# Altium PCB UAARG Autopilot.PcbDoc (part 2 of 4)
Units mm, origin at the board's own origin, x right, y up, seen from the top; angles counter-clockwise.
Board outline 89.53 x 95.22 mm, 4 copper layers (Top Layer, Mid Layer 1, Mid Layer 2, Bottom Layer), stack 1.641 mm thick; 296 components, 241 nets, 1208 pads, 606 vias.
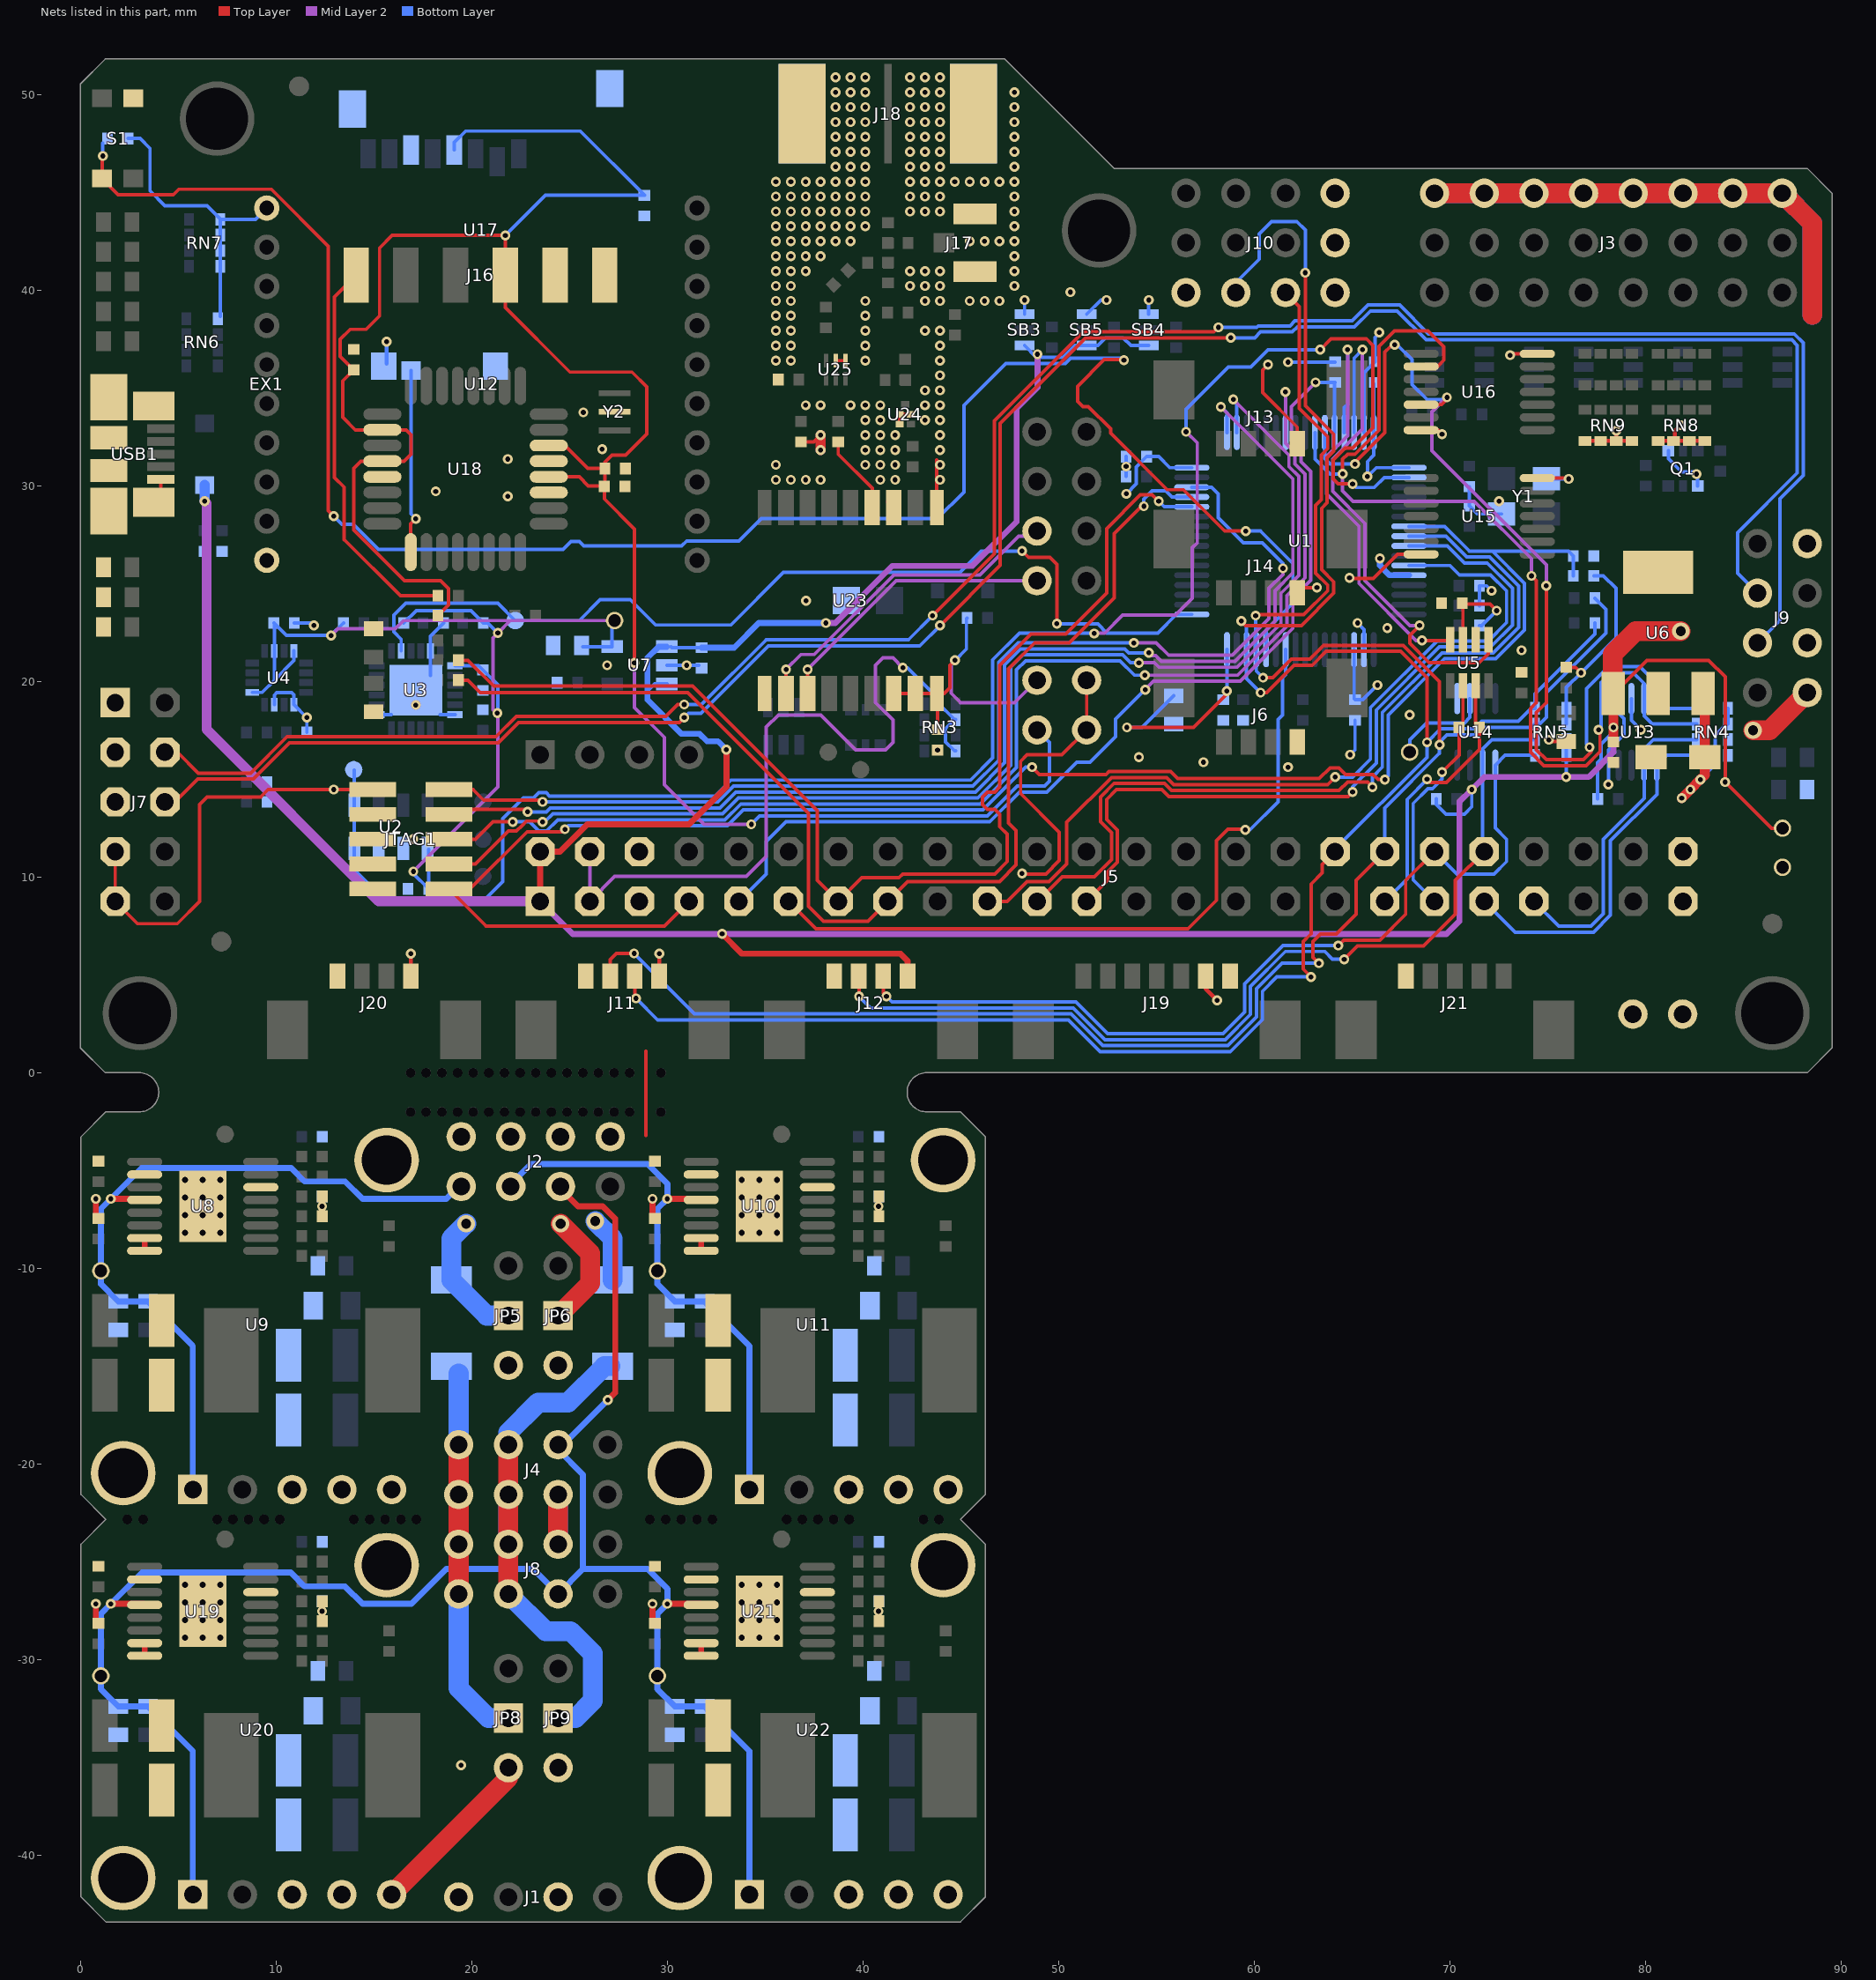
[diagram p4: the nets of this part, all layers, seen from the top]

## Part data
C1 C2 C3 C4 C5 C6 C11 C13 C14 C15 C16 C17 C18 C19 C20 C22 C23 C24 C26 C28 C29 C31 C32 C33 C34 C35 C36 C37 C38 C39 C41 C42 C44 C45 C46 C47 C48 C49 C50 C51 C57 C59 C60 C62 C63 C64 C65 C66 C67 C68 C69 C70 C72 C73 C75 C76 C77 C78 C79 C80 C81 C82 C83 C84 C85 C86 C88 C89: "Capacitor"
C7 C8 C9 C10 C12 C27 C30 C40 C43 C52 C53 C54 C55 C56 C58 C61 C71 C74: "CAP CER 0.1UF 10V 10% X7R 0402"
C21 C87: "Polarized Capacitor"
C25: library part Cap, "Capacitor"
D1 D2: "Typical Schottky Diode"
D3: "Typical SchottkyDiode"
D4: "Typical Diode"
EX1 EX2: library part "Header 10", "Header, 10-Pin"
FID1 FID2 FID3 FID4 FID5 FID6: "Fiducial"
J1 J6 J11 J12 J13 J14 J15 J20: library part "Header 4", "Header, 4-Pin"
J2 J4 J8: "Header, 4-Pin, Dual row"
J3: library part "Header 3X08 RA", "Header, 24-Pin"
J5: library part "Header 24X2", "Header, 24-Pin, Dual row"
J7: library part "Header 5X2", "Header, 5-Pin, Dual row"
J9: library part "Header 4X2", "Header, 4-Pin, Dual row"
J10: library part "Header 3X04 RA", "Header, 12-Pin"
J16: library part "Header 6", "Header, 6-Pin"
J17: "U.FL RF connector"
J18: library part U.FL, "SMA RF connector"
J19: library part "Header 7", "Header, 7-Pin"
J21: library part "Header 5", "Header, 5-Pin"
J22: library part "Header 2", "Header, 2-Pin"
JP5 JP6 JP8 JP9: library part Jumper_2
JTAG1: "Mini JTAG connector header 10 pos 5x2 pitch 1.27mm TH"
L1: library part "Bead Ferrite", "BEAD FERRITE"
L2 L3 L4 L5: library part Inductor, "FIXED IND 6.8UH 7A 33.4 MOHM SMD"
L6 L7: "Chip Inductor"
LED1 LED5: "LED RED CLEAR 0603 SMD"
LED2: "LED ORANGE CLEAR 0603 SMD"
LED3 LED6 LED8 LED9: "LED GREEN CLEAR 0603 SMD"
LED4 LED7: "LED YELLOW CLEAR 0603 SMD"
Q1: "NPN General Purpose Amplifier"
Q2: "N-CH MOSFET W/ DIODE DUAL PACKAGE"
R1 R2 R3 R4 R5 R6 R7 R8 R9 R10 R11 R12 R13 R14 R15 R16 R17 R18 R19 R20 R21 R22 R23 R24 R25 R26 R27 R28 R29 R30 R31 R32 R33 R34 R35 R36 R37 R38 R39 R40 R41 R42 R43 R44 R45 R46 R47 R48 R49 R50 R51 R52 R53 R54 R55 R56 R57 R58 R59 R60 R61 R62 R63 R64 R65 R66 R67 R68: "Resistor"
RN1 RN2 RN3 RN4 RN5 RN6 RN7 RN8 RN9: "Isolated Resistor Network"
S1: library part SW-PB, "SWITCH TACTILE SPST-NO 0.05A 32V"
SB1 SB2 SB3 SB6 SB7 SB8 SB9 SB10 SB11 SB12 SB13: "SMD Jumper 3 positions. Open"
SB4 SB5: "SMD Jumper 3 positions. Closed"
TP1: "Test Point Ground"
TP2 TP3 TP4: "Test Point Power"
TP5 TP6 TP7 TP8 TP9 TP10 TP11 TP12 TP13 TP14 TP15 TP16 TP17 TP18 TP19: "Test Point Signal"
U1: "ARM Cortex-M4 32-bit MCU+FPU, 210 DMIPS, 1024 kB Flash, 192 kB Internal RAM, 51 I/Os, 64-pin LQFP, -40 to 85 degC, Tray"
U2: "MS5611-01BA03 Barometer, Altimeter"
U3: "Invense MPU-6000 6 Axis Motion Sensor"
U4: "HMC5883L 3-axis Magnetometer"
U5: "MAX3051 CAN Transceiver"
U6: "IC REG LDO 3.3V 1A SOT223"
U7: "LP2992 LDO Voltage Regulator"
U8 U10 U19 U21: "Simple Switcher 3.5V to 36V 3A Synchronous Step-Down Voltage Converter"
U9 U11 U20 U22: "Pololu Buck Converter D24V__F_ series"
U12: "MODULE XBEE PRO S3B 900HP RPSMA"
U13 U14: "IC VOLT-LEVEL TRANSLATOR SM8"
U15 U16: library part DM74LS125AM
U17: "GCT MEM2051-00-195-00-A"
U18: "8-bit AVR Microcontroller, 32KB Flash, 1KB EEPROM, 2KB SRAM, 32-pin TQFP, Industrial Grade (-40°C to 85°C)"
U23: "u-blox MAX-7Q GNSS Module"
U24: library part SF1186K-3, "GPS SAW Filter"
U25: library part MAX2659, "MAX2659 Low Noise Amplifier"
USB1: "Micro USB Connector Type B"
Y1: "Crystal Oscillator with ground points"
Y2: "Resonator with built in capacitors"
Z1 Z2: library part "Res Varistor", "VARISTOR 0603"

## Free pads (board coordinates)
  round 0.5 hole 0.5 unplated: 0(2.405,-22.828) 0(3.205,-22.828) 0(6.99,-22.828) 0(7.79,-22.828) 0(8.59,-22.828) 0(9.39,-22.828) 0(10.19,-22.828) 0(13.975,-22.828) 0(14.775,-22.828) 0(15.575,-22.828) 0(16.375,-22.828) 0(16.875,-2) 0(16.875,0) 0(17.175,-22.828) 0(17.675,-2) 0(17.675,0) 0(18.475,-2) 0(18.475,0) 0(19.275,-2) 0(19.275,0) 0(20.075,-2) 0(20.075,0) 0(20.875,-2) 0(20.875,0) 0(21.675,-2) 0(21.675,0) 0(22.475,-2) 0(22.475,0) 0(23.275,-2) 0(23.275,0) 0(24.075,-2) 0(24.075,0) 0(24.875,-2) 0(24.875,0) 0(25.675,-2) 0(25.675,0) 0(26.475,-2) 0(26.475,0) 0(27.275,-2) 0(27.275,0) 0(28.075,-2) 0(28.075,0) 0(29.113,-22.828) 0(29.675,-2) 0(29.675,0) 0(29.913,-22.828) 0(30.713,-22.828) 0(31.513,-22.828) 0(32.313,-22.828) 0(36.098,-22.828) 0(36.898,-22.828) 0(37.698,-22.828) 0(38.498,-22.828) 0(39.298,-22.828) 0(43.083,-22.828) 0(43.883,-22.828)

## Via types
v1: diameter 0.508, hole 0.254, Top Layer to Bottom Layer, tented both sides, 537 vias
v2: diameter 0.61, hole 0.305, Top Layer to Bottom Layer, 48 vias
v3: diameter 0.508, hole 0.254, Top Layer to Bottom Layer, 8 vias
v4: diameter 0.889, hole 0.508, Top Layer to Bottom Layer, 5 vias
v5: diameter 0.508, hole 0.254, Top Layer to Bottom Layer, tented bottom, 5 vias
v6: diameter 0.508, hole 0.254, Top Layer to Bottom Layer, tented top, 3 vias

## Nets (pads, with @x,y where several pads share a name; then routed paths per layer and width w, separated by ;. In a path a pad name is that pad's centre, name@x,y a point inside that pad or via, vN(x,y) a via of type N, cw(c..) or ccw(c..) an arc to the next point about the centre after c; other vN are vias at no path point)
+3V3: C6.2 C7.1 C8.1 C9.1 C10.1 C20.1 C21.1 EX1.1 J5.3 J5.4 J7.7 J7.9 J10.9 J11.1 J19.2 J20.1 JP7.2 JP10.2 JTAG1.1 L1.1 R12.2 R18.1 R44.2 RN3.2 RN3.4 RN4.1 RN4.2 RN5.1 RN5.2 RN6.5 RN7.5 RN7.6 RN7.7 RN7.8 SB3.1 SB4.1 SB5.1 TP3.1 U1.1 U1.19 U1.32 U1.48 U1.64 U5.3 U6.3 U12.1 U13.2 U14.2 U15.14 U16.14 | length 161.9
  Top Layer w0.178: J7.7@1.778,11.303 J7.9@1.778,8.763 2.921,7.62 4.953,7.62 6.096,8.763 6.096,13.716 6.477,14.097 9.211,14.097 9.592,14.478 JTAG1.1@14.941,14.478 ; v1@48.133,10.16 49.352,10.16 50.038,10.846 50.038,12.294 48.057,14.275 48.057,15.926 48.387,16.256 50.165,16.256 JP7.2@51.435,17.526 JP10.2@51.435,20.066 ; v1@53.467,17.653 56.896,17.653 58.607,19.364 58.607,19.558 58.598,19.549 v1(58.598,19.507) ; v1@64.897,25.273 66.094,25.273 67.319,26.498 U15.14@68.531,26.498 ; U16.14@68.531,32.848 69.387,32.848 v1(69.596,32.639) ; U5.3@70.668,22.13 70.668,23.964 72.048,23.964 v1(72.39,23.622) ; R18.1@75.946,20.722 76.433,20.722 v1(76.708,20.447)
  Top Layer w0.203: J20.1@16.885,4.942 v1(16.885,6.085) ; J11.1@29.585,4.942 v1(29.585,6.085) ; J19.2@57.515,4.942 57.515,4.285 v1(58.1,3.7)
  Top Layer w0.508: v1(81.852,14.034) v1(82.296,14.478) v1(82.804,14.986) 83.036,15.218 C21.1@83.036,16.129 U6.3@83.036,19.288
  Mid Layer 2 w0.178: J5.4@26.035,11.303 J5.3@26.035,8.763 27.305,10.033 34.036,10.033 35.052,11.049 35.052,17.665 35.675,18.288 37.847,18.288 39.625,16.51 41.148,16.51 41.529,16.891 41.529,18.034 40.64,18.923 40.64,20.828 41.021,21.209 41.529,21.209 v1(42.037,20.701)
  Bottom Layer w0.178: R44.2@2.43,47.752 3.048,47.752 3.556,47.244 3.556,45.085 4.318,44.323 6.477,44.323 7.15,43.65 RN7.5@7.15,43.618 ; RN6.5@7.15,38.665 RN7.8@7.15,41.218 RN7.7@7.15,42.018 RN7.6@7.15,42.818 RN7.5@7.15,43.618 ; U12.1@9.525,44.196 8.947,43.618 RN7.5@7.15,43.618 ; v1(42.037,20.701) 42.275,20.701 43.815,19.161 43.815,18.918 RN3.2@44.68,18.053 ; RN3.4@44.742,16.453 44.68,16.453 44.221,16.911 44.221,17.595 RN3.2@44.68,18.053 ; RN3.2@44.742,18.053 RN3.2@44.68,18.053 ; SB3.1@48.26,38.773 v1(48.26,39.497) ; SB5.1@51.435,38.773 52.159,39.497 v1(52.451,39.497) ; v1@53.467,17.653 54.266,17.653 C6.2@55.88,19.267 ; v1(53.467,29.591) 53.975,30.099 53.975,30.971 C9.1@54.5,31.496 55.118,31.496 55.686,30.928 U1.48@56.807,30.928 ; SB4.1@54.61,38.773 v1(54.61,39.497) ; v1(58.598,19.507) 58.607,19.516 U1.32@58.607,21.628 ; C7.1@65.107,19.111 U1.19@65.107,21.628 ; C7.1@65.151,19.067 65.549,19.067 v1(66.294,19.812) ; C10.1@66.107,35.229 U1.64@66.107,32.728 66.107,31.563 65.786,31.242 v1(65.786,30.48) 66.234,30.928 U1.1@67.907,30.928 ; TP3.1@67.945,16.383 67.945,17.018 68.809,17.882 70.739,17.882 71.024,18.167 U14.2@71.024,19.124 ; L1.1@71.518,22.86 71.628,22.86 v1(72.39,23.622) ; RN5.2@75.959,17.824 RN5.1@75.959,18.624 75.959,19.698 v1(76.708,20.447) 78.486,22.225 78.486,24.765 77.851,25.4 R12.2@77.36,25.4 ; U13.2@79.279,19.124 79.279,18.003 v1(79.756,17.526) ; v1(82.804,14.986) 83.566,15.748 83.566,17.239 84.152,17.824 RN4.2@84.214,17.824 RN4.1@84.214,18.624
  other v1: 48.133,10.185 12.954,14.478 53.492,17.653 64.872,25.298
+3V3_DL: C53.1 C54.1 C55.1 C56.1 J16.3 JP7.1 R45.2 U17.4 U18.4 U18.6 U18.18 U18.20 | length 122
  Top Layer w0.178: R45.2@18.271,23.368 18.821,23.918 18.821,24.74 18.415,25.146 16.561,25.146 13.97,27.737 13.97,30.899 14.332,31.261 U18.20@15.435,31.261 16.54,31.261 16.891,31.612 16.891,32.614 16.644,32.861 U18.18@15.435,32.861 14.053,32.861 13.411,33.503 13.411,35.365 C56.1@13.97,35.924 13.284,36.61 13.284,37.49 13.792,37.998 14.605,37.998 15.291,38.684 15.291,42.164 15.926,42.799 v1(21.717,42.799) J16.3@21.717,40.767 21.717,39.116 25.019,35.814 28.194,35.814 28.956,35.052 28.956,32.656 27.872,31.572 27.178,31.572 26.805,31.2 C55.1@26.805,30.886 ; U18.4@23.935,30.461 25.495,30.461 25.959,29.997 26.805,29.997 C55.1@26.805,30.886 ; U18.6@23.935,32.061 24.759,32.061 25.933,30.886 C55.1@26.805,30.886 ; C54.1@26.78,29.972 26.78,29.329 28.321,27.788 v1(28.321,20.955)
  Mid Layer 2 w0.178: v1(28.321,20.955) 28.321,18.669 29.845,17.145 29.845,14.732 31.877,12.7 v1(34.29,12.7)
  Bottom Layer w0.178: U17.4@19.102,47.171 19.102,47.55 19.685,48.133 25.544,48.133 C53.1@28.829,44.848 23.766,44.848 v1(21.717,42.799) ; v1(34.29,12.7) 34.722,13.132 46.356,13.132 47.88,14.656 49.277,14.656 49.53,14.909 49.53,16.891 JP7.1@48.895,17.526
+3V3_GPS: C83.2 JP10.1 R61.1 U23.7 U23.8 U23.9 | length 15.6
  Top Layer w0.178: U23.7@41.57,19.38 U23.8@42.67,19.38 U23.9@43.77,19.38 44.145,19.38 44.45,19.685 44.45,20.828 v1(44.704,21.082) ; C83.2@43.815,17.543 U23.9@43.815,19.271
  Top Layer w0.203: U23.9@43.77,19.38 cw(c43.661,19.271) U23.9@43.815,19.271
  Mid Layer 2 w0.178: v1(44.704,21.082) 44.501,20.879 44.501,19.406 44.983,18.923 47.752,18.923 JP10.1@48.895,20.066
  Bottom Layer w0.178: v1(44.704,21.082) 45.288,21.666 45.288,23.207 R61.1@45.322,23.241
+3V3_SENS: C13.1 C15.1 C16.1 C24.2 R13.2 R14.2 R15.2 TP4.1 U2.1 U3.13 U4.2 U4.4 U4.13 U7.5 | length 56
  Mid Layer 2 w0.178: v1(12.81,22.352) 13.154,22.696 16.092,22.696 16.51,23.114 21.971,23.114 ; v1(17.018,10.287) 21.336,14.605 21.336,18.288 21.082,18.542 21.082,22.225 v1@21.26,22.403 ; v1(21.336,22.479) 21.971,23.114 ; 21.844,22.987 21.971,23.114 ; TP4.1@27.305,23.114 21.971,23.114
  Bottom Layer w0.178: U4.13@8.785,19.443 9.283,19.443 9.91,20.07 ; C16.1@9.889,22.987 C16.1@9.91,22.966 ; U4.4@10.91,21.568 10.91,21.07 9.91,20.07 ; R13.2@13.445,22.987 v1(12.81,22.352) 10.524,22.352 C16.1@9.91,22.966 ; R14.2@16.527,22.987 17.162,23.622 19.956,23.622 R15.2@20.591,22.987 20.828,22.987 v1(21.336,22.479) ; v1(17.018,10.287) 17.018,10.177 C13.1@17.797,9.398 U2.1@17.797,11.426 ; U3.13@19.145,20.808 20.357,20.808 C15.1@20.574,20.591 21.336,19.829 v1@21.336,18.288 ; C24.2@25.683,21.778 U7.5@27.175,21.778 TP4.1@27.175,23.114 ; 9.91,20.07 U4.2@9.91,21.568 C16.1@9.91,22.966
  other v1: 21.311,18.39
+5V: C22.1 C23.2 D3.2 J5.1 J5.2 J9.8 J12.1 R38.1 R39.1 RN4.3 RN4.4 RN5.3 RN5.4 SB3.3 SB4.3 SB5.3 TP2.1 U6.1 U7.1 U7.3 | length 209
  Top Layer w0.178: U6.1@78.359,19.365 80.076,21.082 83.229,21.082 84.074,20.237 v1(84.074,14.86) 86.434,12.5 TP2.1@87,12.5
  Top Layer w0.305: J5.1@23.495,8.763 J5.2@23.495,11.303 24.511,11.303 25.908,12.7 31.115,12.7 33.02,14.605 v1(33.02,16.51) ; v1(32.8,7.1) 33.817,6.083 41.917,6.083 42.285,5.715 J12.1@42.285,4.942
  Top Layer w0.508: C22.1@78.359,16.908 v1(78.359,17.653) U6.1@78.359,19.365
  Top Layer w1.016: U6.1@78.345,19.379 78.323,19.401 78.323,21.4 79.49,22.567 v4(81.8,22.567) ; v4(85.5,17.5) 86.334,17.5 J9.8@88.265,19.431
  Mid Layer 2 w0.305: J5.1@23.495,8.763 25.171,7.087 69.825,7.087 70.485,7.747 70.485,13.843 v1(71.12,14.478) 71.755,15.113 v1(75.946,15.113) 77.089,15.113 78.359,16.383 v1(78.359,17.653) ; v1(38.1,22.987) 38.583,22.987 41.504,25.908 45.593,25.908 47.854,28.169 47.854,33.96 48.92,35.027 v1(48.92,36.728)
  Mid Layer 2 w0.508: v1(6.35,29.21) 6.452,29.108 6.452,17.551 15.24,8.763 J5.1@23.495,8.763
  Bottom Layer w0.178: 28.981,19.507 29.352,19.878 U7.3@29.975,19.878 ; U7.1@30.187,21.778 30.231,21.734 C23.2@31.75,21.734 ; SB3.3@48.26,37.173 48.857,36.576 50.234,36.576 50.831,37.173 SB5.3@51.435,37.173 52.007,37.173 52.4,37.567 53.3,37.567 53.694,37.173 SB4.3@54.61,37.173 ; R39.1@69.3,13.995 69.3,13.714 69.806,13.208 70.739,13.208 71.12,13.589 v1(71.12,14.478) ; v1(75.946,15.113) 75.946,17.011 RN5.3@75.959,17.024 ; R38.1@77.555,13.995 77.555,15.852 77.738,16.035 77.738,16.804 78.359,17.425 v1(78.359,17.653) ; v1(84.074,14.86) RN4.4@84.074,16.084 ; RN4.4@84.074,16.224 RN4.3@84.074,16.884
  Bottom Layer w0.305: U7.1@29.975,21.778 29.55,21.778 28.981,21.209 28.981,19.507 28.981,19.068 30.727,17.323 31.648,17.323 32.029,16.942 32.588,16.942 v1(33.02,16.51) ; C23.2@31.75,21.734 33.418,21.734 34.671,22.987 v1(38.1,22.987)
  Bottom Layer w0.508: v1(6.35,29.21) D3.2@6.35,30.048
+5V_ALT: J5.47 J9.6 J22.1
+5V_BCKP: D1.1 J4.7 J4.8 J8.7 J8.8 JP8.2 | length 21.8
  Top Layer w1.016: J8.8@19.334,-26.638 J8.7@19.334,-24.098 J4.8@19.334,-21.558 J4.7@19.334,-19.018
  Bottom Layer w1.016: J8.8@19.334,-26.638 19.334,-31.464 20.858,-32.988 JP8.2@21.874,-32.988 ; J8.7@19.334,-24.098 J4.8@19.334,-21.558 ; J4.7@19.334,-19.018 D1.1@19.334,-15.376
+5V_EXT: J2.5 JP6.2 | length 6
  Top Layer w1.016: JP6.2@24.414,-12.414 26.065,-10.763 26.065,-9.239 v4(24.541,-7.715)
+5V_MAIN: D1.2 J2.7 JP5.2 | length 6.9
  Bottom Layer w1.016: v4(19.715,-7.715) 18.953,-8.477 D1.2@18.953,-10.595 20.772,-12.414 JP5.2@21.874,-12.414
+5V_SERVO: D2.2 J2.3 | length 3.4
  Bottom Layer w1.016: v4(26.319,-7.588) 27.208,-8.477 D2.2@27.208,-10.595
+5V_SERVO_BCKP: D2.1 J4.5 J4.6 J8.5 J8.6 JP9.2 | length 27.6
  Top Layer w1.016: J8.6@21.874,-26.638 J8.5@21.874,-24.098 J4.6@21.874,-21.558 J4.5@21.874,-19.018
  Bottom Layer w1.016: J8.6@21.874,-26.638 23.779,-28.543 25.049,-28.543 26.192,-29.686 26.192,-32.099 25.303,-32.988 JP9.2@24.414,-32.988 ; J8.5@21.874,-24.098 J4.6@21.874,-21.558 ; J4.5@21.874,-19.018 21.874,-18.383 23.398,-16.859 24.922,-16.859 26.786,-14.995 D2.1@27.092,-14.995
ADC_1: J5.19 U1.11 | length 42.7
  Top Layer w0.178: J5.19@46.355,8.763 47.371,8.763 48.387,9.779 49.518,9.779 50.419,10.68 50.419,12.8 52.706,15.088 55.532,15.088 55.888,14.732 63.754,14.732 v1(64.135,15.113)
  Bottom Layer w0.178: v1(64.135,15.113) 65.024,15.113 65.938,16.027 65.938,18.668 69.343,22.073 71.96,22.073 72.898,23.01 72.898,24.638 72.085,25.451 70.488,25.451 70.011,25.928 U1.11@67.907,25.928
ADC_2: J5.21 U1.8 | length 44.4
  Top Layer w0.178: J5.21@48.895,8.763 48.933,8.763 50.184,10.014 51.824,10.014 52.704,10.894 52.704,12.27 52.146,12.828 52.146,14.096 52.833,14.783 55.406,14.783 55.762,14.427 64.338,14.427 64.77,14.859 65.786,14.859 v1(66.04,14.605)
  Bottom Layer w0.178: v1@65.913,14.605 v1(66.04,14.605) 66.04,15.113 66.548,15.621 66.548,18.415 69.596,21.463 72.213,21.463 73.508,22.758 73.508,24.891 72.033,26.365 70.867,26.365 69.804,27.428 U1.8@67.907,27.428
ADC_3: J5.23 U1.9 | length 40.6
  Top Layer w0.178: J5.23@51.435,8.763 52.502,9.83 52.502,10.261 53.009,10.768 53.009,12.396 52.451,12.954 52.451,13.97 52.959,14.478 55.28,14.478 55.635,14.122 64.795,14.122 v1(65.024,14.351)
  Bottom Layer w0.178: v1(65.024,14.351) 65.024,14.617 65.597,15.189 65.608,15.189 66.243,15.824 66.243,18.541 69.47,21.768 72.087,21.768 73.203,22.884 73.203,24.764 71.907,26.06 70.74,26.06 69.873,26.928 U1.9@67.907,26.928
ALT_EN: J7.4 J9.5 | length 115.5
  Top Layer w0.178: J7.4@4.318,16.383 4.953,16.383 6.02,15.316 8.706,15.316 10.56,17.17 21.236,17.17 22.277,18.212 29.925,18.212 30.535,18.821 v1(30.861,18.821) v1@30.861,18.669 ; v1(43.561,23.368) 46.711,26.518 46.711,33.325 51.257,37.871 57.937,37.871 v1(58.166,38.1)
  Bottom Layer w0.178: v1@30.861,18.669 v1(30.861,18.821) 31.741,18.821 35.043,22.123 42.316,22.123 v1(43.561,23.368) ; v1(58.166,38.1) 60.125,38.1 60.201,38.176 61.825,38.176 62.079,38.43 65,38.43 65.813,39.243 67.437,39.243 68.91,37.77 87.605,37.77 88.062,37.313 88.062,30.531 86.868,29.337 86.868,23.114 J9.5@85.725,21.971
ANT_ON: R64.1 U23.13 | length 4.1
  Top Layer w0.178: R64.1@38.735,32.241 38.735,31.623 40.47,29.888 U23.13@40.47,28.88
BACKUP_EN: J2.4 J4.3 J8.4 R48.1 R53.2 R55.1 R60.2 TP15.1 TP17.1 U19.12 U20.1 U21.12 U22.1 | length 95.1
  Top Layer w0.305: v1(1.554,-27.146) U19.12@3.227,-27.146 ; J2.4@24.414,-5.81 25.43,-6.826 26.7,-6.826 27.335,-7.461 27.335,-16.351 v1(26.954,-16.732) ; v1(30.002,-27.146) U21.12@31.675,-27.146
  Bottom Layer w0.305: U20.1@5.745,-42.005 5.745,-34.676 R48.1@3.459,-32.39 R53.2@1.935,-32.39 1.046,-31.501 TP15.1@1.046,-30.829 1.046,-27.654 v1(1.554,-27.146) 3.154,-25.546 10.749,-25.546 11.46,-26.257 13.53,-26.257 14.419,-27.146 16.921,-27.146 18.699,-25.368 23.144,-25.368 J8.4@24.414,-26.638 25.684,-25.368 ; J4.3@24.414,-19.272 25.684,-20.542 25.684,-25.368 ; J4.3@24.414,-19.018 24.668,-19.018 v1(26.954,-16.732) ; U22.1@34.193,-42.005 34.193,-34.676 R55.1@31.907,-32.39 R60.2@30.383,-32.39 29.494,-31.501 TP17.1@29.494,-30.829 29.494,-27.654 v1(30.002,-27.146) 30.002,-26.384 28.986,-25.368 25.684,-25.368
BCKP_EN: J7.6 J9.3 | length 113.2
  Top Layer w0.178: J7.6@4.318,13.843 4.826,13.843 5.994,15.011 8.832,15.011 10.686,16.866 21.362,16.866 22.404,17.907 30.607,17.907 v1(30.861,18.161) ; v1(43.942,22.86) 47.015,25.933 47.015,33.199 51.383,37.567 v1(58.801,37.567)
  Bottom Layer w0.178: v1(30.861,18.161) 31.077,18.377 31.727,18.377 35.169,21.819 42.901,21.819 v1(43.942,22.86) ; v1(58.801,37.567) 60.022,37.567 60.327,37.871 61.951,37.871 62.205,38.125 65.126,38.125 65.939,38.938 67.311,38.938 68.784,37.465 87.478,37.465 87.757,37.186 87.757,30.657 84.709,27.609 84.709,25.527 J9.3@85.725,24.511
BIND: R44.1 S1.4 U1.28 | length 100.1
  Top Layer w0.178: v1@1.105,46.825 S1.4@1.105,45.702 1.921,44.886 4.751,44.886 5.026,45.161 9.766,45.161 12.675,42.253 12.675,28.727 v1(12.954,28.448) ; v1@53.34,36.449 52.324,36.449 50.965,35.09 50.965,34.324 51.24,34.049 51.518,34.049 52.654,32.913 52.654,32.69 55.543,29.801 56.382,29.801 58.497,27.686 v1(59.563,27.686)
  Bottom Layer w0.178: v1(1.143,46.863) R44.1@1.143,47.515 ; v1(12.954,28.448) 13.36,28.042 13.942,28.042 15.238,26.746 24.663,26.746 25.07,27.153 25.502,27.153 25.73,26.924 30.734,26.924 30.988,27.178 33.655,27.178 34.798,28.321 43.796,28.321 45.161,29.687 45.161,34.112 47.295,36.246 50.335,36.246 50.614,36.525 v1@53.34,36.525 ; v1(59.563,27.686) 60.325,27.686 61.976,26.035 61.976,24.003 60.607,22.634 U1.28@60.607,21.628
  other v1: 53.34,36.424
BOOT0: J5.9 R11.2 U1.60 | length 53
  Mid Layer 2 w0.178: v1@54.473,19.641 54.847,20.015 59.281,20.015 61.976,22.71 61.976,24.257 62.89,25.171 62.89,30.732 62.382,31.24 62.382,31.825 61.9,32.307 61.9,34.053 v1(63.136,35.289)
  Bottom Layer w0.178: J5.9@33.655,8.763 35.052,10.16 35.052,11.811 36.068,12.827 46.482,12.827 48.006,14.351 49.403,14.351 50.927,15.875 51.612,15.875 52.913,17.175 52.913,18.08 v1@54.473,19.641 ; v1(63.136,35.289) R11.2@64.135,35.289 ; U1.60@64.107,32.728 R11.2@64.107,35.261
  other v1: 54.432,19.583
CAN.RX: U1.61 U5.4 | length 23.2
  Top Layer w0.178: v1(68.58,22.098) U5.4@69.986,22.098
  Mid Layer 2 w0.178: v1(64.77,36.957) 64.77,32.562 63.703,31.495 63.703,29.592 65.354,27.941 65.354,25.02 68.276,22.098 v1(68.58,22.098)
  Bottom Layer w0.178: U1.61@64.607,32.728 64.607,34 64.77,34.163 v1(64.77,36.957)
CAN.TX: U1.62 U5.1 | length 27.7
  Top Layer w0.178: v1(68.453,22.86) 67.945,22.352 67.945,21.944 68.934,20.955 71.501,20.955 71.968,21.422 U5.1@71.968,22.13
  Mid Layer 2 w0.178: v1(65.532,36.957) 65.532,32.893 64.008,31.369 64.008,29.718 65.659,28.067 65.659,25.146 67.945,22.86 v1(68.453,22.86)
  Bottom Layer w0.178: U1.62@65.107,32.728 65.107,36.532 v1(65.532,36.957)
CAN_BUS.CANH: J5.35 R16.2 U5.7 | length 13.6
  Top Layer w0.178: v1@68.834,14.986 68.986,14.834 69.825,14.834 71.518,16.527 R16.2@71.518,17.653 ; R16.2@71.318,17.853 U5.7@71.318,19.78
  Bottom Layer w0.178: J5.35@66.675,8.763 67.818,9.906 67.818,13.97 v1@68.834,14.986
  other v1: 68.834,15.011
CAN_BUS.CANL: J5.37 R16.1 U5.6 | length 12.4
  Top Layer w0.178: v1(69.596,15.367) 70.468,16.239 R16.1@70.468,17.653 ; R16.1@70.668,17.853 U5.6@70.668,19.78
  Bottom Layer w0.178: J5.37@69.215,8.763 68.123,9.855 68.123,13.767 68.885,14.529 69.113,14.529 69.596,15.011 v1(69.596,15.367)
CD: U17.9 U18.25 | length 9.5
  Top Layer w0.178: U18.25@16.885,26.611 16.885,28.061 v1(17.145,28.321)
  Bottom Layer w0.178: U17.9@16.902,35.886 16.902,28.564 v1(17.145,28.321)
CS_BARO: TP9.1 U1.2 U2.4 U2.5 | length 93.3
  Top Layer w0.178: v1(63.373,36.957) 63.932,37.516 65.735,37.516 66.065,37.186 66.065,32.968 65.025,31.928 64.644,31.928 64.033,31.317 64.033,30.353 64.287,30.099 v1(65.024,30.099)
  Mid Layer 2 w0.178: v1@51.816,22.479 52.358,22.479 53.272,23.393 55.972,23.393 56.835,24.257 56.835,26.836 57.089,27.09 57.089,32.192 v1(56.515,32.766)
  Bottom Layer w0.178: TP9.1@14,15.464 U2.5@14,13.673 U2.4@14,11.473 14,10.384 15.621,8.763 20.574,8.763 21.59,9.779 21.59,12.984 22.653,14.046 23.161,14.046 23.427,14.313 23.817,14.313 23.982,14.148 32.44,14.148 33.252,14.961 45.494,14.961 46.634,16.101 46.634,21.108 48.005,22.479 v1@51.816,22.479 ; v1(56.515,32.766) 56.515,33.909 58.674,36.068 59.817,36.068 60.706,36.957 v1(63.373,36.957) ; v1(65.024,30.099) 65.209,29.914 66.136,29.914 66.65,30.428 U1.2@67.907,30.428
  other v1: 51.816,22.454
CS_MPU: TP8.1 U1.33 U3.8 | length 49.8
  Top Layer w0.178: v1(48.133,26.67) 48.463,26.34 49.555,26.34 49.911,25.984 v1@49.911,22.987
  Bottom Layer w0.178: U3.8@16.395,21.558 16.395,22.162 16.027,22.53 16.027,23.393 16.637,24.003 21.336,24.003 TP8.1@22.225,23.114 25.5,23.114 26.567,24.181 28.105,24.181 29.399,22.887 33.243,22.887 35.934,25.578 44.959,25.578 46.051,26.67 v1(48.133,26.67) ; v1@49.911,22.987 49.962,22.936 52.005,22.936 52.463,22.479 55.067,22.479 56.016,23.428 U1.33@56.807,23.428
  other v1: 49.911,22.962
D_N: J5.13 R20.1 U1.44 | length 63.1
  Top Layer w0.178: R20.1@19.321,21.082 19.802,21.082 21.123,19.761 31.293,19.761 37.668,13.386 37.668,9.83 J5.13@38.735,8.763 39.947,9.975 41.841,9.975 42.025,10.16 46.736,10.16 47.371,10.795 47.371,12.192 46.99,12.573 46.99,13.208 46.736,13.462 46.355,13.462 46.101,13.716 46.101,14.097 46.355,14.351 46.736,14.351 46.99,14.605 46.99,20.828 48.59,22.428 50.357,22.428 52.451,24.523 52.451,27.813 54.178,29.54 54.788,29.54 v1(55.118,29.21)
  Bottom Layer w0.178: v1(55.118,29.21) 55.4,28.928 U1.44@56.807,28.928
D_P: J5.15 R21.1 U1.45 | length 63.2
  Top Layer w0.178: R21.1@19.321,20.066 19.802,20.066 20.437,19.431 31.039,19.431 37.211,13.259 37.211,8.509 37.973,7.747 40.259,7.747 J5.15@41.275,8.763 42.291,9.779 46.99,9.779 47.828,10.617 47.828,12.382 47.447,12.763 47.447,20.639 48.78,21.971 50.546,21.971 52.845,24.27 52.845,27.561 v1@54.368,29.083
  Bottom Layer w0.178: v1(54.356,28.956) 54.356,29.31 54.789,29.743 55.474,29.743 55.789,29.428 U1.45@56.807,29.428
DC1_EN: J2.8 R25.1 R30.2 TP11.1 U8.12 U9.1 | length 38.9
  Top Layer w0.305: v1(1.554,-6.445) U8.12@3.227,-6.445
  Bottom Layer w0.305: U9.1@5.745,-21.304 5.745,-13.975 R25.1@3.459,-11.689 R30.2@1.935,-11.689 1.046,-10.8 TP11.1@1.046,-10.128 1.046,-6.953 v1(1.554,-6.445) 3.129,-4.87 10.774,-4.87 11.46,-5.556 13.53,-5.556 14.419,-6.445 18.699,-6.445 J2.8@19.334,-5.81
DC1M_VOUT: JP5.3 U9.5
DC2_EN: J2.6 R32.1 R37.2 TP13.1 U10.12 U11.1 | length 29.4
  Top Layer w0.305: v1(30.002,-6.445) U10.12@31.675,-6.445
  Bottom Layer w0.305: J2.6@21.874,-5.81 23.017,-4.667 28.986,-4.667 30.002,-5.683 v1(30.002,-6.445) 29.494,-6.953 TP13.1@29.494,-10.128 29.494,-10.8 R37.2@30.383,-11.689 R32.1@31.907,-11.689 34.193,-13.975 U11.1@34.193,-21.304
DC2M_VOUT: JP6.3 U11.5
DC3M_VOUT: JP8.3 U20.5 | length 8.9
  Top Layer w1.016: U20.5@15.905,-42.005 21.874,-36.036 JP8.3@21.874,-35.528
DC4M_VOUT: JP9.3 U22.5
DTR: C52.2 J16.6 | length 20.2
  Top Layer w0.178: J16.6@14.097,40.767 12.979,39.649 12.979,30.429 13.487,29.921 13.487,27.254 16.358,24.384 C52.2@18.271,24.384
GND: C1.1 C2.1 C3.1 C4.1 C5.1 C6.1 C7.2 C8.2 C9.2 C10.2 C11.1 C12.2 C13.2 C14.2 C15.2 C16.2 C17.2 C19.1 C20.2 C21.2 C22.2 C23.1 C24.1 C25.2 C28.2 C29.2 C31.2 C32.2 C33.2 C34.2 C35.2 C36.1 C37.2 C38.2 C41.2 C42.2 C44.2 C45.2 C46.2 C47.2 C48.2 C49.1 C50.2 C51.2 C53.2 C54.2 C55.2 C56.2 C59.2 C60.2 C62.2 C63.2 C64.2 C65.2 C66.2 C67.1 C68.2 C69.2 C72.2 C73.2 C75.2 C76.2 C77.2 C78.2 C79.2 C80.1 C81.2 C82.2 C83.1 C87.2 C88.2 EX1.10 J1.2 J1.4 J2.1 J3.3 J3.6 J3.9 J3.12 J3.15 J3.18 J3.21 J3.24 J4.4 J5.5 J5.6 J5.48 J6.4 J7.1 J7.3 J7.5 J8.3 J9.2 J10.4 J10.8 J10.12 J11.4 J12.4 J13.4 J14.4 J16.1 J16.2 J17.GND J18.GND J19.1 J20.4 J21.5 J22.2 JTAG1.3 JTAG1.5 JTAG1.7 JTAG1.9 LED6.2 LED7.2 LED8.2 LED9.2 Q1.1 Q1.4 R3.1 R11.1 R17.1 R22.1 R23.1 R28.2 R29.1 R30.1 R35.2 R36.1 R37.1 R42.2 R43.2 R51.2 R52.1 R53.1 R58.2 R59.1 R60.1 R65.1 RN8.5 RN8.6 RN8.7 RN8.8 RN9.5 RN9.6 RN9.7 RN9.8 S1.1 TP1.1 U1.12 U1.18 U1.63 U2.2 U2.3 U3.1 U3.11 U3.18 U3.EP U4.9 U4.11 U5.2 U6.2 U6.4 U7.2 U8.6 U8.10 U8.15 U8.16 U8.EP U9.0 U9.3 U9.4 U10.6 U10.10 U10.15 U10.16 U10.EP U11.0 U11.3 U11.4 U12.10 U13.1 U14.1 U15.7 U16.7 U17.6 U17.10 U18.3 U18.5 U18.21 U19.6 U19.10 U19.15 U19.16 U19.EP U20.0 U20.3 U20.4 U21.6 U21.10 U21.15 U21.16 U21.EP U22.0 U22.3 U22.4 U23.1 U23.10 U23.12 U24.B U24.D U24.E U25.1 U25.2 USB1.5 USB1.SH Y1.2 Y1.4 Y2.3 Z1.1 Z2.1 | length 128.5
  Top Layer w0.178: USB1.SH@4.11,29.52 USB1.5@4.11,30.323 ; J2.1@26.445,-3.27 J2.1@27.081,-3.27 ; 28.9,-3.2 28.9,1.1 ; R65.1@36.83,32.241 37.482,32.241 v1(37.836,32.595) ; U25.2@38.608,36.401 U25.1@39.108,36.401 ; U23.12@41.275,29.175 U23.12@41.57,28.88 ; U24.E@41.876,33.155 U24.D@41.876,33.655 U24.B@42.452,33.655 ; U23.10@43.77,28.88 43.77,31.324 ; v1(60.706,36.195) 60.427,35.916 60.427,34.773 62.2,32.999 J13.4@62.2,32.153 ; J14.4@62.467,24.8 v1(63.201,24.8) ; v1@73.076,36.748 U16.7@74.471,36.748 ; U15.7@74.471,30.398 76.028,30.398 v1(76.073,30.353) ; v1@75.143,16.932 LED6.2@75.946,16.932
  Top Layer w0.203: RN9.5@76.905,32.296 RN9.6@77.705,32.296 RN9.7@78.505,32.296 ; RN9.7@78.511,32.296 RN9.8@79.305,32.296 ; RN9.7@78.511,32.303 v1(78.511,32.817) ; RN8.5@80.639,32.296 RN8.6@81.439,32.296 ; v1(81.8,33.1) 81.5,32.8 81.5,32.357 RN8.6@81.439,32.296 ; RN8.8@83.039,32.296 RN8.7@82.239,32.296 RN8.6@81.439,32.296
  Top Layer w0.305: v1(0.792,-27.146) 0.792,-28.018 C66.2@0.919,-28.145 ; v1(0.792,-6.445) 0.792,-7.317 C35.2@0.919,-7.444 ; U19.16@3.283,-29.802 U19.15@3.283,-29.152 ; U8.16@3.283,-9.101 U8.15@3.283,-8.451 ; v1(29.24,-27.146) 29.24,-28.018 C79.2@29.367,-28.145 ; v1(29.24,-6.445) 29.24,-7.317 C48.2@29.367,-7.444 ; U21.16@31.731,-29.802 U21.15@31.731,-29.152 ; U10.16@31.731,-9.101 U10.15@31.731,-8.451
  Top Layer w0.508: v1(37.836,31.833) v1(37.836,32.595)
  Top Layer w1.016: J8.3@24.414,-24.098 J4.4@24.414,-21.558 ; J3.24@69.215,44.958 J3.21@71.755,44.958 J3.18@74.295,44.958 J3.15@76.835,44.958 J3.12@79.375,44.958 J3.9@81.915,44.958 J3.6@84.455,44.958 J3.3@86.995,44.958 88.519,43.434 88.519,38.735
  Bottom Layer w0.178: U4.11@9.91,18.818 9.91,19.308 10.033,19.431 10.795,19.431 10.91,19.316 U4.9@10.91,18.818 v1(11.574,18.154) C17.2@11.574,17.399 ; C16.2@10.939,22.987 11.811,22.987 v1(11.938,22.86) ; U3.1@15.145,18.308 U3.EP@15.895,18.308 ; U3.EP@17.895,20.308 U3.11@17.895,21.558 17.895,22.323 C19.1@18.559,22.987 ; U3.EP@18.395,18.308 U3.18@19.145,18.308 ; U7.2@29.975,20.828 v1(30.988,20.828) C23.1@31.606,20.828 ; C3.1@53.45,30.48 C9.2@53.45,31.496 ; v1(61.722,36.322) R11.1@64.118,36.322 ; v1(64.897,16.256) 65.151,16.51 C7.2@65.151,18.017 ; v1(65.278,22.987) 65.607,22.658 U1.18@65.607,21.628 ; U1.63@65.607,32.728 65.607,35.779 C10.2@66.167,36.339 66.167,37.592 v1@66.421,37.846 ; C1.1@70.993,29.955 C2.1@70.993,28.973 71.402,28.564 Y1.4@72.637,28.564 ; C11.1@71.518,23.876 C12.2@71.518,24.892 71.882,24.892 v1(72.136,24.638) ; Y1.2@74.948,30.353 v1(76.073,30.353) ; v1(78.105,14.732) 78.105,16.51 78.892,17.297 78.892,18.11 78.629,18.373 U13.1@78.629,19.124 ; Q1.1@81.165,31.793 81.165,31.389 81.839,30.715 82.474,30.715 82.665,30.524 Q1.4@82.665,29.993
  Bottom Layer w0.203: U17.10@15.646,36.245 v1(15.646,37.363)
  Bottom Layer w0.305: v1(66.421,26.289) 66.421,25.931 66.924,25.428 U1.12@67.907,25.428
  Bottom Layer w1.016: J8.3@24.414,-24.098 J4.4@24.414,-21.558 ; J3.24@69.215,44.958 J3.21@71.755,44.958 J3.18@74.295,44.958 J3.15@76.835,44.958 J3.12@79.375,44.958 J3.9@81.915,44.958 J3.6@84.455,44.958 J3.3@86.995,44.958 88.519,43.434 88.519,38.735
  other v1: 19.461,-35.401 17.018,11.938 61.722,15.621 57.404,15.875 54.102,16.129 75.057,17.018 67.945,18.288 26.924,20.828 73.66,21.59 66.802,22.733 37.084,24.13 21.844,29.464 18.161,29.718 35.55,30.309 36.312,30.309 37.074,30.309 37.836,30.309 40.884,30.309 41.646,30.309 43.932,30.309 82.6,30.6 35.55,31.071 40.122,31.071 40.884,31.071 41.646,31.071 43.932,31.071 21.844,31.369 40.122,31.833 40.884,31.833 41.646,31.833 43.932,31.833 26.67,31.877 40.122,32.595 40.884,32.595 41.646,32.595 43.932,32.595 40.122,33.357 40.884,33.357 43.17,33.357 43.932,33.357 25.705,33.757 37.074,34.119 37.836,34.119 39.36,34.119 40.122,34.119 40.884,34.119 43.17,34.119 43.932,34.119 43.17,34.881 43.932,34.881 43.932,35.643 35.55,36.405 36.312,36.405 40.122,36.405 43.932,36.405 73.076,36.678 35.55,37.167 36.312,37.167 40.122,37.167 43.932,37.167 66.396,37.846 35.55,37.929 36.312,37.929 40.122,37.929 43.17,37.929 43.932,37.929 35.55,38.691 36.312,38.691 40.122,38.691 35.55,39.453 36.312,39.453 40.122,39.453 43.17,39.453 43.932,39.453 45.456,39.453 46.218,39.453 46.98,39.453 50.6,39.9 35.55,40.215 36.312,40.215 42.408,40.215 43.17,40.215 43.932,40.215 47.742,40.215 35.55,40.977 36.312,40.977 37.074,40.977 42.408,40.977 43.17,40.977 43.932,40.977 47.742,40.977 35.55,41.739 36.312,41.739 37.074,41.739 37.836,41.739 47.742,41.739 35.55,42.501 36.312,42.501 37.074,42.501 37.836,42.501 38.598,42.501 39.36,42.501 45.456,42.501 46.218,42.501 46.98,42.501 47.742,42.501 35.55,43.263 36.312,43.263 37.074,43.263 37.836,43.263 38.598,43.263 39.36,43.263 40.122,43.263 47.742,43.263 35.55,44.025 36.312,44.025 37.074,44.025 37.836,44.025 38.598,44.025 39.36,44.025 40.122,44.025 42.408,44.025 43.17,44.025 43.932,44.025 47.742,44.025 35.55,44.787 36.312,44.787 37.074,44.787 37.836,44.787 38.598,44.787 39.36,44.787 40.122,44.787 42.408,44.787 43.17,44.787 43.932,44.787 47.742,44.787 35.55,45.549 36.312,45.549 37.074,45.549 37.836,45.549 38.598,45.549 39.36,45.549 40.122,45.549 42.408,45.549 43.17,45.549 43.932,45.549 44.694,45.549 45.456,45.549 46.218,45.549 46.98,45.549 47.742,45.549 38.598,46.311 39.36,46.311 40.122,46.311 42.408,46.311 43.17,46.311 43.932,46.311 47.742,46.311 38.598,47.073 39.36,47.073 40.122,47.073 42.408,47.073 43.17,47.073 43.932,47.073 47.742,47.073 38.598,47.835 39.36,47.835 40.122,47.835 42.408,47.835 43.17,47.835 43.932,47.835 47.742,47.835 38.598,48.597 39.36,48.597 40.122,48.597 42.408,48.597 43.17,48.597 43.932,48.597 47.742,48.597 38.598,49.359 39.36,49.359 40.122,49.359 42.408,49.359 43.17,49.359 43.932,49.359 47.742,49.359 38.598,50.121 39.36,50.121 40.122,50.121 42.408,50.121 43.17,50.121 43.932,50.121 47.742,50.121 38.598,50.883 39.36,50.883 40.122,50.883 42.408,50.883 43.17,50.883 43.932,50.883
  other v2: 5.353,-28.877 6.253,-28.877 7.153,-28.877 33.801,-28.877 34.701,-28.877 35.601,-28.877 5.353,-27.977 6.253,-27.977 7.153,-27.977 33.801,-27.977 34.701,-27.977 35.601,-27.977 5.353,-27.077 6.253,-27.077 7.153,-27.077 33.801,-27.077 34.701,-27.077 35.601,-27.077 5.353,-26.177 6.253,-26.177 7.153,-26.177 33.801,-26.177 34.701,-26.177 35.601,-26.177 5.353,-8.176 6.253,-8.176 7.153,-8.176 33.801,-8.176 34.701,-8.176 35.601,-8.176 5.353,-7.276 6.253,-7.276 7.153,-7.276 33.801,-7.276 34.701,-7.276 35.601,-7.276 5.353,-6.376 6.253,-6.376 7.153,-6.376 33.801,-6.376 34.701,-6.376 35.601,-6.376 5.353,-5.476 6.253,-5.476 7.153,-5.476 33.801,-5.476 34.701,-5.476 35.601,-5.476
  other v3: 12.349,-27.527 40.797,-27.527 12.349,-6.826 40.797,-6.826
  other v5: 43.815,16.493
  other v6: 17.145,18.796 72.517,29.21 53.45,30.988
GPIO1: J5.11 U1.26 | length 37.8
  Top Layer w0.178: J5.11@36.195,8.763 37.592,7.366 56.617,7.366 58.064,8.814 58.064,11.862 58.649,12.446 v1@59.309,12.446
  Bottom Layer w0.178: v1(59.538,12.421) 59.792,12.421 61.214,13.843 61.214,18.059 61.443,18.288 61.443,20.193 61.607,20.357 U1.26@61.607,21.628
GPS_RX: JP4.1 U23.3 | length 14.8
  Top Layer w0.178: U23.3@37.17,19.38 v1(37.17,20.615)
  Mid Layer 2 w0.178: v1(37.17,20.615) 41.701,25.146 JP4.1@48.895,25.146
GPS_TX: JP2.1 U23.2 | length 17
  Top Layer w0.178: U23.2@36.07,19.38 v1(36.07,20.615)
  Mid Layer 2 w0.178: v1(36.07,20.615) 36.833,21.378 37.502,21.378 41.575,25.451 45.974,25.451 47.955,27.432 48.641,27.432 JP2.1@48.895,27.686
I2C1.SCL: RN4.7 U1.58 U13.3 U16.9 | length 53.5
  Top Layer w0.178: v1(64.516,30.607) 64.516,31.369 64.77,31.623 65.151,31.623 66.37,32.842 66.37,37.134 67.158,37.922 68.885,37.922 69.698,37.109 69.698,36.424 69.372,36.098 U16.9@68.531,36.098 ; v1(74.168,25.4) 74.422,25.146 74.422,18.923 74.117,18.618 74.117,16.384 74.804,15.697 76.961,15.697 77.673,16.409 77.673,17.45 v1(77.597,17.526)
  Mid Layer 2 w0.178: v1(64.516,30.607) 64.516,29.75 65.056,29.21 71.247,29.21 74.168,26.289 v1(74.168,25.4)
  Bottom Layer w0.178: U1.58@63.119,32.716 63.119,31.369 63.881,30.607 v1(64.516,30.607) ; v1(77.597,17.526) 77.724,17.653 77.724,19.939 78.232,20.447 79.375,20.447 79.929,19.893 U13.3@79.929,19.124 79.929,18.242 80.347,17.824 RN4.7@82.614,17.824
I2C1.SDA: RN4.8 U1.59 U13.4 U16.12 | length 50.9
  Top Layer w0.178: v1@65.074,31.115 66.675,32.716 66.675,36.83 66.929,37.084 ; U16.12@68.531,34.148 69.581,34.148 v1@69.85,34.417 ; v1@69.85,34.544 v1@69.85,34.671 ; v1(74.93,24.892) 74.93,18.923 74.422,18.415 74.422,16.51 74.93,16.002 76.835,16.002 77.216,16.383 v1@77.216,16.637
  Mid Layer 2 w0.178: v1@69.85,34.544 69.088,33.782 69.088,31.8 74.93,25.958 v1(74.93,24.892)
  Bottom Layer w0.178: U1.59@63.607,32.728 63.607,31.389 63.881,31.115 v1(65.151,31.115) ; v1@67.246,37.274 68.072,36.449 68.072,35.179 68.834,34.417 69.85,34.417 v1@69.85,34.671 ; v1(77.14,16.637) 76.987,16.789 76.987,19.633 78.106,20.752 79.705,20.752 80.579,19.878 U13.4@80.579,19.124 81.079,18.624 RN4.8@82.614,18.624
  other v1: 69.85,34.519 67.183,37.211
I2C1_5V.SCL: J5.41 RN4.6 U13.6 | length 16.5
  Bottom Layer w0.178: J5.41@74.295,8.763 75.565,7.493 77.216,7.493 77.851,8.128 77.851,11.938 79.929,14.016 U13.6@79.929,15.724 79.929,16.556 80.397,17.024 RN4.6@82.614,17.024
I2C1_5V.SDA: J5.39 RN4.5 U13.5 | length 18.4
  Bottom Layer w0.178: J5.39@71.755,8.763 73.33,7.188 77.342,7.188 78.207,8.053 78.207,11.863 80.579,14.235 U13.5@80.579,15.724 81.079,16.224 RN4.5@82.614,16.224
I2C2.SCL: J5.36 J10.11 J11.3 R40.2 RN5.7 U1.29 | length 107.2
  Top Layer w0.178: J11.3@27.085,4.942 27.085,5.785 27.4,6.1 v1(28.3,6.1) ; v1@60.198,23.419 62.535,23.419 63.754,24.638 63.754,24.917 63.144,25.527 63.144,29.007 63.424,29.286 63.424,31.57 63.754,31.9 63.754,32.512 62.306,33.96 62.306,39.167 J10.11@61.595,39.878 ; v1(60.452,20.193) 60.96,20.193 61.9,21.133 62.839,21.133 63.55,21.844 67.614,21.844 69.459,19.999 v1@69.459,16.974 ; v1(63.3,5.6) 63,5.9 63,6.7 63.387,7.087 64.187,7.087 65.2,8.1 65.2,9.828 J5.36@66.675,11.303
  Bottom Layer w0.178: v1(28.3,6.1) 31.39,3.01 50.628,3.01 52.25,1.387 58.65,1.387 60.116,2.854 60.116,4.291 61.424,5.6 v1(63.3,5.6) ; U1.29@60.071,21.664 v1(60.071,23.368) ; U1.29@60.107,21.628 60.107,20.538 v1(60.452,20.193) ; J5.36@66.675,11.303 66.675,13.539 69.469,16.333 v1(69.469,16.764) ; v1@69.469,16.891 69.85,17.272 71.374,17.272 71.755,17.653 74.188,17.653 RN5.7@74.359,17.824 74.593,17.824 74.93,18.161 74.93,19.431 77.978,22.479 77.978,23.689 R40.2@77.41,24.257
I2C2.SDA: J5.34 J10.10 J11.2 R41.2 RN5.8 U1.30 | length 114.7
  Top Layer w0.178: J11.2@28.335,4.942 28.335,3.865 v1(28.4,3.8) ; v1@59.309,23.114 59.563,22.86 62.407,22.86 64.059,24.512 64.059,25.095 63.449,25.705 63.449,28.854 63.729,29.134 63.729,31.444 64.059,31.774 64.059,32.639 62.611,34.087 v1(62.611,40.894) ; v1(60.325,19.431) 60.629,19.431 62.026,20.828 62.965,20.828 63.676,21.539 67.488,21.539 68.834,20.193 v1(68.834,16.891) ; v1(62.9,4.9) 62.5,5.3 62.5,6.7 62.9,7.1 62.9,9.637 63.474,10.211 63.474,10.642 J5.34@64.135,11.303
  Bottom Layer w0.178: v1(28.4,3.8) 29.5,2.7 50.5,2.7 52.122,1.078 58.778,1.078 60.42,2.72 60.42,4.165 61.155,4.9 v1(62.9,4.9) ; J10.10@59.055,39.878 59.055,40.386 60.249,41.58 60.249,42.875 60.884,43.51 62.179,43.51 62.611,43.078 v1(62.611,40.894) ; v1@59.309,23.114 59.607,22.816 U1.30@59.607,21.628 59.607,20.149 v1(60.325,19.431) ; J5.34@64.135,11.303 64.135,11.43 68.834,16.129 v1(68.834,16.891) 69.52,17.577 71.248,17.577 71.629,17.958 73.489,17.958 74.155,18.624 RN5.8@74.359,18.624 74.359,19.368 77.41,22.419 R41.2@77.41,22.987
  other v1: 59.334,23.089
I2C2_5V.SCL: J5.40 J12.3 RN5.6 U14.6 | length 48.1
  Top Layer w0.178: v1(39.8,3.9) J12.3@39.8,4.927 ; v1(64.6,5.8) 65.277,6.477 68.657,6.477 70.28,8.1 70.28,9.828 J5.40@71.755,11.303
  Bottom Layer w0.178: v1(39.8,3.9) 40.386,3.314 50.755,3.314 52.377,1.692 58.523,1.692 59.811,2.98 59.811,4.418 61.593,6.2 63.6,6.2 64,5.8 v1(64.6,5.8) ; J5.40@71.674,11.384 U14.6@71.674,15.724 71.674,16.556 72.142,17.024 RN5.6@74.359,17.024
I2C2_5V.SDA: J5.38 J12.2 RN5.5 U14.5 | length 47.5
  Top Layer w0.178: J12.2@41.035,4.942 41.035,4.065 v1(41.2,3.9) ; v1(64.3,6.5) 64.582,6.782 66.422,6.782 67.74,8.1 67.74,9.828 J5.38@69.215,11.303
  Bottom Layer w0.178: v1(41.2,3.9) 41.481,3.619 50.881,3.619 52.503,1.997 58.397,1.997 59.506,3.106 59.506,4.544 61.467,6.505 64.295,6.505 v1(64.3,6.5) ; J5.38@69.215,11.303 70.358,10.16 72.263,10.16 72.898,10.795 72.898,11.938 72.324,12.512 U14.5@72.324,15.724 72.824,16.224 RN5.5@74.359,16.224
JTAG.RST: C5.2 J5.7 JTAG1.10 R12.1 U1.7 | length 92
  Top Layer w0.178: JTAG1.10@18.841,9.398 20.739,7.5 29.852,7.5 J5.7@31.115,8.763 ; JTAG1.10@19.075,9.449 19.964,9.449 22.835,12.319 24.638,12.319 v1(24.765,12.446) ; v1(48.641,15.621) 49.022,15.24 52.428,15.24 52.58,15.392 55.728,15.392 56.083,15.037 63.324,15.037 63.87,15.583 64.33,15.583 64.673,15.24 66.07,15.24 66.324,14.986 v1(66.675,14.986) v1@66.548,14.986
  Bottom Layer w0.178: v1(24.765,12.446) 24.943,12.624 33.071,12.624 33.884,13.437 46.139,13.437 48.323,15.621 v1(48.641,15.621) ; v1@66.548,14.986 v1(66.675,14.986) 66.853,15.164 66.853,18.289 69.722,21.158 72.339,21.158 73.812,22.631 73.812,25.017 72.159,26.67 71.905,26.67 ; U1.7@67.907,27.928 69.735,27.928 70.993,26.67 71.905,26.67 ; R12.1@76.31,25.4 C5.2@76.31,26.416 76.056,26.67 71.905,26.67
JTAG.TCK: JTAG1.4 U1.49 | length 64.3
  Top Layer w0.178: JTAG1.4@18.841,13.208 19.095,13.462 22.733,13.462 v1(22.86,13.335) v1@22.987,13.335
  Mid Layer 2 w0.178: v1(54.61,21.463) 54.75,21.323 54.965,21.323 55.257,21.031 59.004,21.031 61.062,23.089 61.062,24.636 61.976,25.55 61.976,30.353 v1(58.293,34.036)
  Bottom Layer w0.178: v1(22.86,13.335) 23.813,13.335 24.016,13.538 32.692,13.538 33.505,14.351 45.747,14.351 47.244,15.848 47.244,20.856 48.055,21.666 53.391,21.666 53.594,21.463 v1(54.61,21.463) ; v1(58.293,34.036) 58.607,33.722 U1.49@58.607,32.728
JTAG.TDI: JTAG1.8 U1.50 | length 65.5
  Top Layer w0.178: JTAG1.8@19.304,10.668 20.193,10.668 21.882,12.357 22.293,12.357 22.568,12.632 22.568,12.636 22.796,12.865 23.584,12.865 v1(23.622,12.827)
  Mid Layer 2 w0.178: v1(54.102,20.955) 54.902,20.955 55.131,20.726 59.13,20.726 61.366,22.962 61.366,24.51 62.281,25.424 62.281,30.479 61.773,30.987 61.773,31.572 v1(58.928,34.417)
  Bottom Layer w0.178: v1(23.622,12.827) 23.736,12.827 24.143,13.233 32.818,13.233 33.631,14.046 45.873,14.046 47.549,15.722 47.549,20.729 48.181,21.361 53.265,21.361 53.671,20.955 v1@53.975,20.955 ; v1(58.928,34.417) 59.107,34.238 U1.50@59.107,32.728
JTAG.TDO: JTAG1.6 U1.55 | length 65.6
  Top Layer w0.178: JTAG1.6@19.304,11.938 20.193,11.938 21.082,12.827 v1(22.098,12.827)
  Mid Layer 2 w0.178: v1@54.483,20.32 59.155,20.32 61.671,22.836 61.671,24.383 62.586,25.298 62.586,30.606 62.078,31.114 62.078,31.698 61.595,32.181 v1(61.595,34.798)
  Bottom Layer w0.178: v1(22.098,12.827) 22.957,12.827 23.427,12.357 23.826,12.357 24.397,12.929 32.945,12.929 33.757,13.741 45.999,13.741 47.854,15.596 47.854,20.603 48.307,21.057 53.138,21.057 53.875,20.32 v1@54.483,20.32 ; U1.55@61.607,32.728 v1@61.607,34.786
  other v1: 54.407,20.32
JTAG.TMS: JTAG1.2 U1.46 | length 59.5
  Top Layer w0.178: JTAG1.2@18.841,14.478 20.066,14.478 20.618,13.926 v1@23.622,13.926
  Mid Layer 2 w0.178: v1(53.848,21.971) 54.991,21.971 55.626,21.336 58.878,21.336 60.757,23.215 60.757,24.762 61.468,25.473 v1(61.468,25.781)
  Bottom Layer w0.178: v1(23.622,13.843) 32.566,13.843 33.379,14.656 45.621,14.656 46.939,15.974 46.939,20.982 47.928,21.971 v1@53.721,21.971 ; U1.46@56.807,29.928 57.829,29.928 58.166,29.591 58.166,28.371 59.448,27.089 60.414,27.089 61.468,26.035 v1(61.468,25.781)